# KiCad board nt980.dk.kicad_pcb (continued)
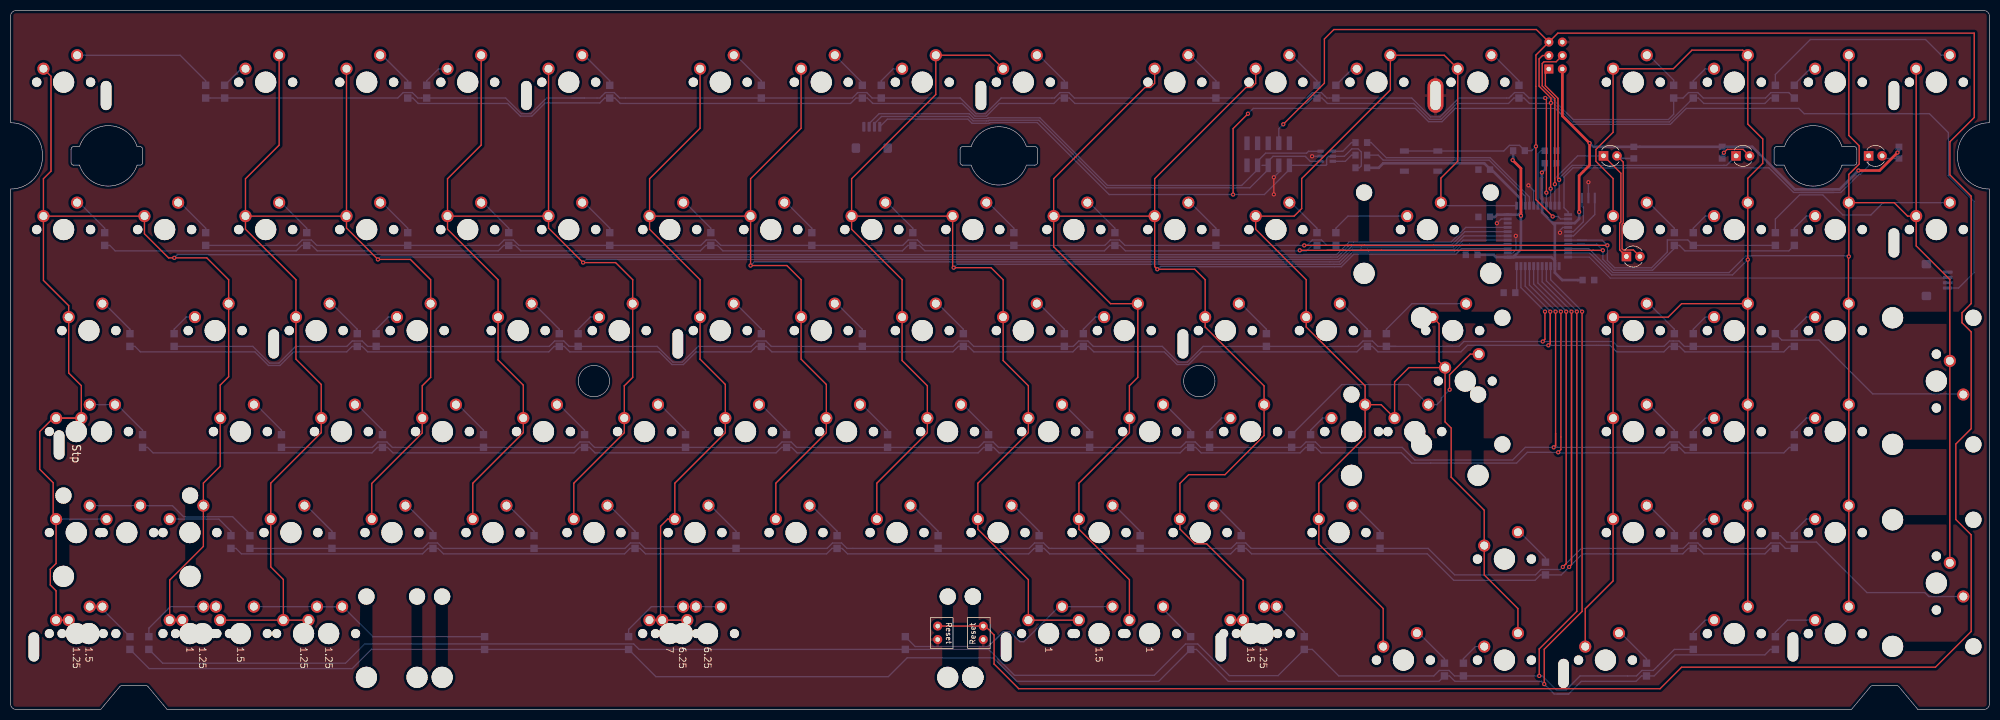
[diagram p0: board, top side]
## Routing (per net, layer and track width the routed paths; a pad name or vN(x,y) marks a point on that pad's centre or on a via; arc(x,y) is an arc through that point) (continued)
Net-(D106-Pad2): length 5.7
  Bottom w0.25: D106.2 317.31,14.56 319.59,16.84 K106.2
Net-(D107-Pad2): length 9.3
  Bottom w0.25: D107.2 332.79,14.56 335.07,16.84 K107.2
Net-(L1-Pad2): length 28.4
  Top w0.25: L1.2 304.11,103.21 304.11,91.74 303.88,91.52 303.88,86.88 304.12,86.65 306.02,86.65 L1#2.2
  Bottom w0.25: L1.2 303.4,103.92 R1.2 303.29,103.92 303.2,103.83
Net-(L2-Pad2): length 8.2
  Top w0.25: v1(323.08,104.99) 323.08,105 323.7,105.63 326.69,105.63 L2.2
  Bottom w0.25: 323.15,105.05 v1(323.08,104.99) 322.76,104.67 R2.2 ; 327.3,104.72 328.2,103.83
Net-(L3-Pad2): length 3.5
  Bottom w0.25: 356,103.83 R3.2 353.4,103.92 L3.2
Net-(R101-Pad1): length 36.5
  Bottom w0.25: R101.1 256.56,106.92 259.43,104.05 279,104.05 286.41,96.64 U1.4
Net-(R101-Pad2): length 5
  Bottom w0.25: 249.38,105.33 U2.4 251.22,105.28 252.86,106.92 R101.2
Net-(R102-Pad1): length 34.8
  Bottom w0.25: U1.3 285.61,96.8 278.81,103.6 258.84,103.6 257.9,104.54 R102.1
Net-(R102-Pad2): length 4.8
  Bottom w0.25: R102.2 252.86,104.54 251.7,103.38 U2.6
Net-(R105-Pad2): length 5.1
  Bottom w0.25: U1.33 284.01,78.85 R105.2
Net-(U1-Pad16): length 8.2
  Bottom w0.25: U1.16 294.71,90.11 296.59,91.98 296.59,94.73 296.34,94.98 X1.2
Net-(U1-Pad17): length 9.8
  Bottom w0.25: X1.1 298.74,93.33 294.71,89.31 U1.17

## Copper pours and planes (outline as drawn; the poured copper is in the pictures)
GND on Top: 373.18,-0.2 -0.02,-0.2 -0.02,131.32 373.18,131.32 ; 17 cut-outs
GND on Bottom: 373.18,-0.2 -0.02,-0.2 -0.02,131.32 373.18,131.32 ; 16 cut-outs

## Text on the board
B.Silkscreen: DK rev1.3 | GND | D | 5v | D+ | D- | ISO / ENTER | 5V | ▲:[1.25, 1, 1.25, 6.25, 1, 1, 1.25] / ●:[1.5, 1.5, 7, 1.5, 1.5] / ■:[1.25, 1.25, 1.25, 6.25, 1.5, 1.5] / (from top view) | ~/` | ISO LShift | Tab | Caps | 1/! | (ISO|) | Q | A | F1 | 2/@ | Z | W | S | F2 | 3/# | X | E | F3 | 4/$ | C | R | F | F4 | 5/% | V | T | G | 6/^ | B | F5 | Y | H | 7/& | N | F6 | U | J | 8/* | M | F7 | I | K | 9/( | ,/< | F8 | O | L | 0/) | ./> | P | ;/: | F9 | -/_ | / ? | [/{ | '/{dblquote} | F10 | +/= | ]/} | RShift | ISO~ | F11 | Bck | \ | F12 | Del | Num | 7 | 4 | 1 | Ins | / | 8 | 5 | 2 | 0 | PgUp | * | 9 | 6 | 3 | . | PgDn | - | USB | LED | ▲ | ■ | ● | nt-980 | ← | ↑ | ↓ | →
F.Silkscreen: Reset | 1.25 | 1.5 | 1 | 7 | 6.25 | Stp
